# Altium PCB motordriver-v5.1_willem.PcbDoc (part 5 of 6) (continued)
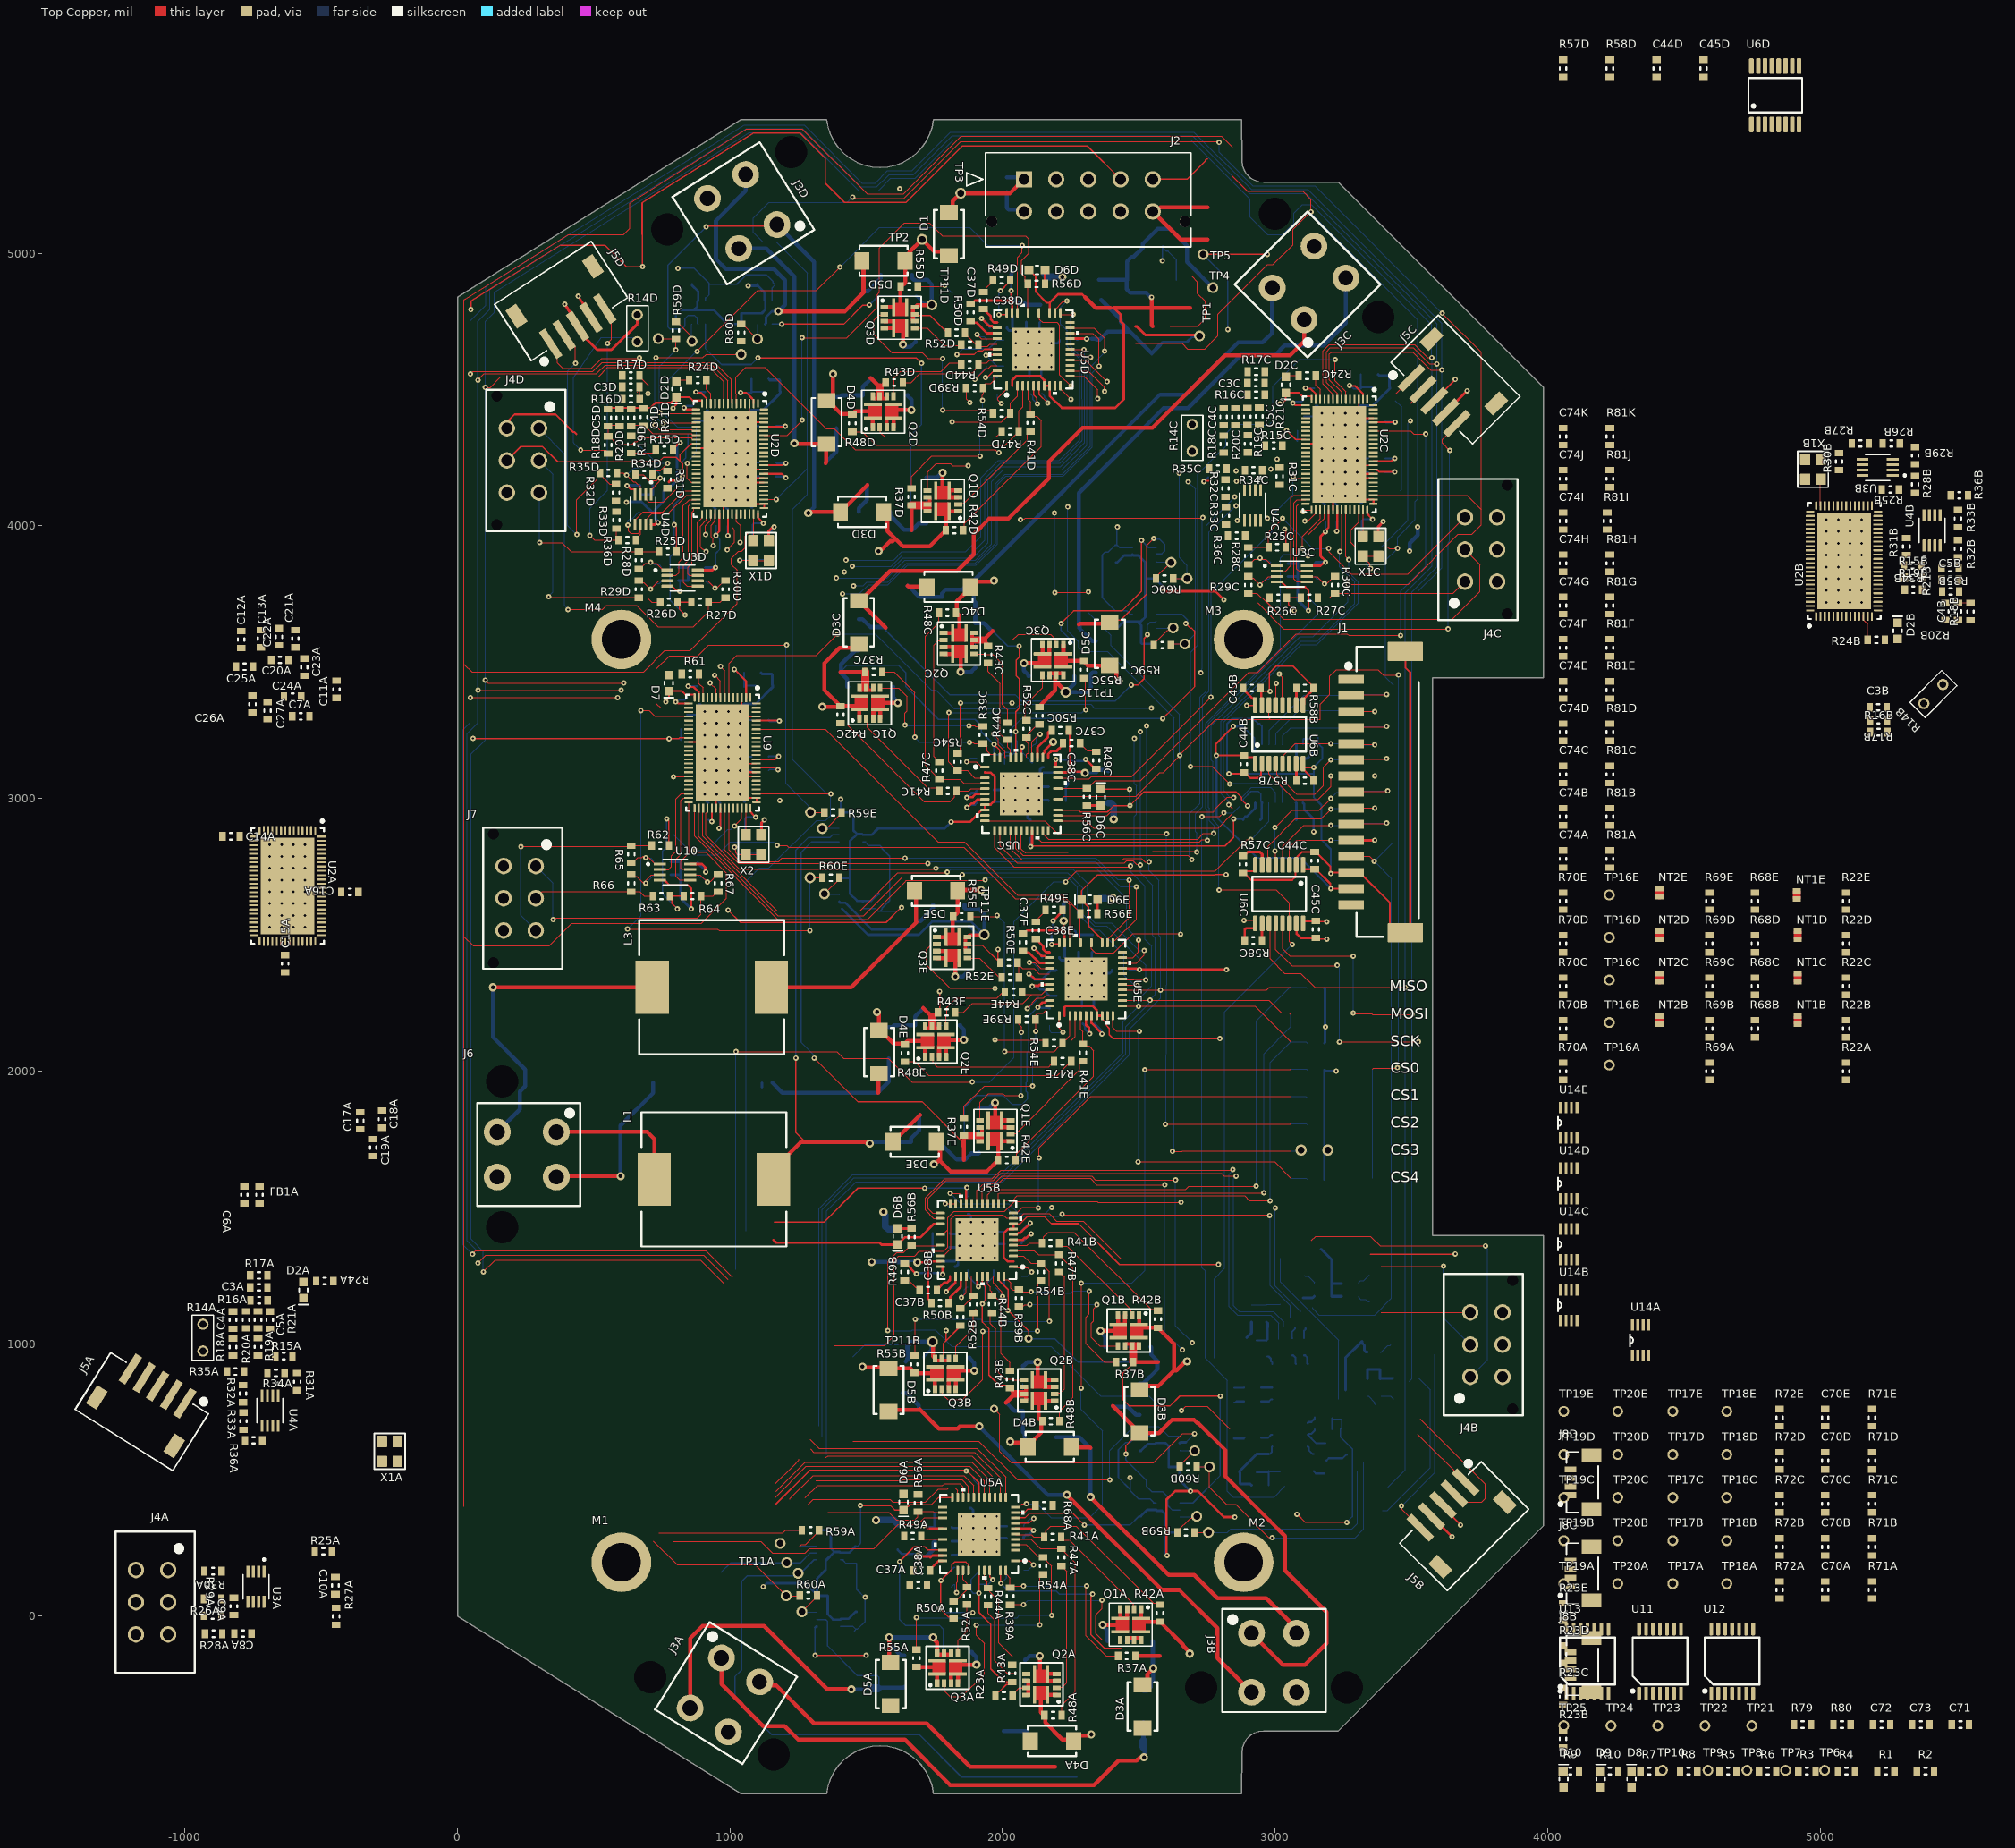
[diagram p0: Top Copper view]
## Nets (pads, with @x,y where several pads share a name; then routed paths per layer and width w, separated by ;. In a path a pad name is that pad's centre, name@x,y a point inside that pad or via, vN(x,y) a via of type N, cw(c..) or ccw(c..) an arc to the next point about the centre after c; other vN are vias at no path point) (continued)
  Bottom Copper w3.5: C33A.1@2082.99,-265.24 R45A.2@2082.99,-225.87
SNUB2B: C33B.1 R45B.2 | length 39.4
  Bottom Copper w3.5: C33B.1@2075.11,813.5 R45B.2@2075.11,852.87
SNUB2C: C33C.1 R45C.2 | length 39.4
  Bottom Copper w3.5: R45C.2@1900.2,3543.7 C33C.1@1900.2,3583.07
SNUB2D: C33D.1 R45D.2 | length 39.4
  Bottom Copper w3.5: C33D.1@1547.44,4478.94 R45D.2@1586.81,4478.94
SNUB2E: C33E.1 R45E.2 | length 39.4
  Bottom Copper w3.5: C33E.1@1739.76,2167.91 R45E.2@1779.13,2167.91
SNUB3A: C38A.1 R51A.2
SNUB3B: C38B.1 R51B.2 | length 118.5
  Top Copper w9: C38B.1@1758.77,1195.78 1758.77,1199.72 1766.09,1207.03 1769.46,1207.03 1785.57,1223.14 1796.51,1223.14 1807.34,1233.98 1807.34,1245.79 1807.77,1246.22
  Bottom Copper w3.5: 1774.52,947.75 R51B.2@1813.89,947.75
SNUB3C: C38C.1 R51C.2 | length 127.3
  Top Copper w9: 2167.54,3150.36 2167.97,3150.78 2167.97,3162.59 2178.8,3173.43 2197.83,3173.43 2221.37,3196.97 C38C.1@2221.37,3200.91 ; C38C.1@2216.54,3196.85 C38C.1@2216.54,3200.79
  Bottom Copper w3.5: R51C.2@2161.42,3448.82 2200.79,3448.82
SNUB3D: C38D.1 R51D.2 | length 118.5
  Top Copper w9: C38D.1@1929.72,4795.28 1933.66,4795.28 1940.97,4787.96 1940.97,4784.59 1957.09,4768.48 1957.09,4757.54 1967.93,4746.71 1979.74,4746.71 1980.16,4746.28
  Bottom Copper w3.5: R51D.2@1681.69,4740.16 1681.69,4779.53
SNUB3E: C38E.1 R51E.2 | length 118.5
  Top Copper w9: C38E.1@2122.05,2484.25 2125.98,2484.25 2133.29,2476.94 2133.29,2473.57 2149.41,2457.46 2149.41,2446.52 2160.25,2435.68 2172.06,2435.68 2172.48,2435.26
  Bottom Copper w3.5: R51E.2@1874.01,2429.13 1874.02,2468.5
SPEA: R70A.1 U5A.22
SPEB: R70B.1 U5B.22
SPEC: R70C.1 U5C.22
SPED: R70D.1 U5D.22
SPEE: R70E.1 U5E.22
STATUSA: R24A.2 U2A.12
STATUSB: R24B.2 U2B.12 | length 93.2
  Top Copper w3.5: U2B.12@5158.91,3668.29 5158.91,3655.14 5174.73,3639.31 R24B.2@5174.73,3581.63
STATUSC: R24C.2 U2C.12 | length 93.3
  Top Copper w3.5: R24C.2@3149.61,4551.18 3149.61,4516.22 3165.43,4500.39 U2C.12@3165.43,4464.53 U2C.12@3165.35,4464.61
STATUSD: R24D.2 U2D.12 | length 93.3
  Top Copper w3.5: R24D.2@913.39,4535.43 913.39,4500.47 929.21,4484.64 U2D.12@929.21,4448.78 U2D.12@929.13,4448.86
STATUSE: R61.2 U9.12 | length 93.3
  Top Copper w3.5: R61.2@885.83,3456.69 885.83,3421.73 901.65,3405.9 901.65,3370.04 U9.12@901.57,3370.12
U: L1.2 NT1E.2
U_FBKA: C31A.2 R22A.2 R37A.1 U5A.36 | length 845.8
  Top Copper w5: U5A.36@1993.23,178.72 1993.4,178.55 v1@1993.4,120.6 ; v1(2330.63,80.51) 2330.63,76.86 2324,70.23 2324,-68.16 2373.63,-117.79 2433.79,-117.79
  Top Copper w15: R37A.1@2483.18,-142.8 R37A.1@2487.12,-146.74 2577.67,-146.74
  Bottom Copper w5: C31A.2@2014.65,168.19 2014.65,140.65 v1(1994,120) 2022.03,91.97 2197.3,91.97 2208.76,80.51 v1(2330.63,80.51)
U_FBKB: C31B.2 R22B.2 R37B.1 U5B.36 | length 2334.7
  Top Copper w5: U5B.36@1984.86,1234.48 U5B.36@1984.86,1246.22 ; U5B.36@1984.93,1246.22 1987.66,1243.48 1987.66,1230.34 2020.53,1197.48 v1(2020.53,1121.59) 2095.59,1046.53 v4(2095.59,1018.09) ; R37B.1@2479.25,928.06 2440.94,889.76 2440.94,795.28 2464.57,771.65 2615.33,771.65 2650.77,807.09 v1(2799.21,807.09)
  Top Copper w9: R37B.1@2479.25,928.06 R37B.1@2479.25,932
  Top Copper w15: R37B.1@2479.25,932 2569.8,932
  Top Copper w29: R37B.1@2479.25,932 2479.25,991.06 R37B.1@2479.25,932
  Bottom Copper w5: C31B.2@2006.81,1246.96 2006.81,1211.74 2020.53,1198.02 v1(2020.53,1121.59) ; v4(2095.59,1018.09) 2191.39,1018.09 2277.48,932 2569.8,932 ; 2650.12,415.04 2698.14,415.04 2799.21,516.11 v1(2799.21,807.09)
  Bottom Copper w15: 2502.87,853.26 2516.06,853.26 2567.88,905.09 2567.88,930.09 2569.8,932 2569.8,934.71 2545.43,959.08 2545.43,986.37 2544.68,987.12 2542.24,987.12
U_FBKC: C31C.2 R22C.2 R37C.1 U5C.36 | length 2520.3
  Top Copper w5: v1(1968.34,3198.47) 1968.34,3198.26 1989.96,3176.65 1989.96,3162.59 U5C.36@1990.45,3162.1 ; v1(2587.77,3293.06) 2625.3,3330.58 2705.62,3410.9 2705.62,3613.28 2694.64,3624.26 2690.22,3624.26 v1(2672.74,3641.73) ; U5C.36@1990.45,3162.1 1990.45,3150.29 U5C.36@1990.45,3162.1
  Top Copper w15: 1405.51,3464.57 R37C.1@1496.06,3464.57
  Top Copper w29: 1496.06,3405.51 R37C.1@1496.06,3464.57 1496.06,3405.51
  Bottom Copper w5: 1405.51,3464.57 1407.43,3466.48 1430,3489.06 1617.26,3489.06 1644.64,3461.69 1644.64,3410.25 1764.87,3290.02 1899.22,3290.02 1922.35,3266.88 1922.35,3244.01 1925.28,3241.08 1925.73,3241.08 v1(1968.34,3198.47) ; C31C.2@1968.36,3153.25 C31C.2@1968.36,3153.4 ; v1(1968.34,3198.47) C31C.2@1968.36,3153.4 ; 2563.5,3674.88 2659.36,3674.88 2678.94,3655.3 2678.94,3647 2673.67,3641.73 v1(2672.74,3641.73) ; v1@2586.84,3293.99 2070.63,3293.99 2029.92,3253.28 2029.92,3214.42 2031.62,3212.72 2031.62,3173.85 2026.94,3169.17 2008.07,3169.17 1999.76,3160.86 1975.82,3160.86 C31C.2@1968.36,3153.4
  Bottom Copper w9: v1@2586.84,3293.99 v1(2587.77,3293.06)
  Bottom Copper w15: 1405.51,3464.57 1405.51,3461.86 1429.88,3437.49 1429.88,3410.2 1430.63,3409.45 1433.07,3409.45 ; 1407.43,3466.48 1407.43,3491.48 1459.25,3543.31 1472.44,3543.31
U_FBKD: C31D.2 R22D.2 R37D.1 U5D.36 | length 2792.4
  Top Copper w5: v1(1102.36,4616.14) 1683.07,4616.14 v1(1702.76,4596.46) ; v1@1938.79,4546.01 1945.21,4546.01 1961.55,4562.35 1967.93,4568.7 1979.74,4568.7 U5D.36@1980.23,4569.19
  Top Copper w9: v1(1937.12,4544.34) v1@1938.79,4546.01
  Top Copper w15: 1665.95,3984.25 R37D.1@1665.95,4074.8
  Top Copper w29: R37D.1@1665.95,4074.8 1725,4074.8 R37D.1@1665.95,4074.8
  Signal Layer 1 w5: 1665.95,3984.25 1731.03,4049.34 1731.03,4451.51 1826.31,4546.78 1860.75,4546.78 1873.95,4559.98 1920.75,4559.98 v1@1936.39,4544.34
  Signal Layer 1 w15: v1@1936.39,4544.34 v1(1937.12,4544.34)
  Bottom Copper w5: 909.45,4740.16 909.45,4651.58 968.95,4592.07 1078.29,4592.07 v1(1102.36,4616.14) ; 1663.39,3986.81 1663.39,4332.85 1702.76,4372.22 v1(1702.76,4596.46) ; v1@1938.58,4545.79 C31D.2@1979.45,4545.79
  Bottom Copper w9: 1663.39,3986.81 1664.03,3986.17 1665.95,3984.25 ; v1(1937.12,4544.34) v1@1938.58,4545.79 ; C31D.2@1979.45,4545.79 C31D.2@1980.91,4547.24
  Bottom Copper w15: 1587.2,4051.18 1587.2,4037.99 1639.03,3986.17 1664.03,3986.17 ; 1665.95,3984.25 1668.65,3984.25 1693.02,4008.62 1720.32,4008.62 1721.06,4009.37 1721.06,4011.81
U_FBKE: C31E.2 R22E.2 R37E.1 U5E.36 | length 2999.6
  Top Copper w5: v1(1309.05,2047.24) 1468.79,1887.51 1705.01,1887.51 1850.39,1742.13
  Top Copper w9: 1850.39,1742.13 1850.39,1725 1858.27,1717.13 1858.27,1673.23 ; v1(2129.08,2233.72) 2146.69,2251.33 2153.9,2251.33 2160.25,2257.67 2172.06,2257.67 U5E.36@2172.55,2258.17
  Top Copper w15: 1858.27,1673.23 1858.27,1717.13 R37E.1@1858.27,1763.78
  Top Copper w29: R37E.1@1858.27,1763.78 1917.32,1763.78 R37E.1@1858.27,1763.78
  Bottom Copper w5: v1(1309.05,2047.24) 1309.05,2057.09 1260.3,2105.84 1260.3,2801.3 1299.86,2840.86 1401.06,2840.86 ; 1858.27,1673.23 1859.6,1674.57 1859.6,1675.14 1859.6,1865.71 1904.67,1910.78 2001.95,1910.78 2036.02,1876.7 2070.64,1876.7 2092,1898.06 2092,1919.87 2087.12,1924.75 2087.12,1958.16 2089.75,1960.79 2089.75,2067.02 2095.76,2073.03 2095.76,2200.4 v1(2129.08,2233.72)
  Bottom Copper w9: v1(2129.08,2233.72) 2130.95,2231.85 2170.67,2231.85 C31E.2@2172.54,2229.97
  Bottom Copper w15: 1779.53,1726.97 1811.48,1695.02 1831.35,1675.14 ; 1913.39,1700.79 1913.39,1698.35 1912.64,1697.6 1885.35,1697.6 1860.97,1673.23 ; 1831.35,1675.14 1855.36,1675.14 ; 1831.35,1675.14 1855.36,1675.14 ; 1855.36,1675.14 ccw(c1865.01,1686.63) 1858.27,1673.23 ; 1855.36,1675.14 ccw(c1865.01,1686.63) 1858.26,1673.23 ; 1858.27,1673.23 1860.97,1673.23 ; 1858.26,1673.23 1860.97,1673.23
U_SENSEA_N: NT1A.1 R40A.1 TP11A.1 U7A.5 | length 444.9
  Bottom Copper w5: 968.5,161.42 1002.49,195.4 1258.4,195.4 1294.8,231.81 1317.59,231.81 U7A.5@1318.38,232.6
  Bottom Copper w15: NT1A.1@2517,-454 R40A.1@2517,-388.48
U_SENSEA_P: C28A.2 D3A.2 Q1A.8 R22A.1 R40A.2 TP12A.1 U7A.4 | length 2404.9
  Top Copper w15: D3A.2@2514,-252.67 2531.8,-234.87 2531.8,-213.2 v4(2553,-192)
  Bottom Copper w5: U7A.4@1318.38,207.01 1308.54,207.01 1249.17,147.64 1062.99,147.64 1043.31,127.95 1043.31,-196.85 1017.51,-222.64 1017.51,-299.01 1152.6,-434.1 1693.94,-434.1 1850.39,-590.55 2273.62,-590.55
  Bottom Copper w15: R40A.2@2517,-273.52 2530.19,-273.52 2543.36,-260.35 2543.36,-247.16 2553,-237.52 v4(2553,-192) 2551.56,-190.56 2551.56,-93.06 C28A.2@2550.11,-91.62
U_SENSEB_N: NT1B.1 R40B.1 TP11B.1 U7B.5
U_SENSEB_P: C28B.2 D3B.2 Q1B.8 R22B.1 R40B.2 TP12B.1 U7B.4 | length 111.8
  Bottom Copper w15: 2404.44,770.59 2407.31,767.72 2460.27,767.72 2489.68,738.3 R40B.2@2502.87,738.3
U_SENSEC_N: NT1C.1 R40C.1 TP11C.1 U7C.5
U_SENSEC_P: C28C.2 D3C.2 Q1C.8 R22C.1 R40C.2 TP12C.1 U7C.4
U_SENSED_N: NT1D.1 R40D.1 TP11D.1 U7D.5
U_SENSED_P: C28D.2 D3D.2 Q1D.8 R22D.1 R40D.2 TP12D.1 U7D.4 | length 111.8
  Bottom Copper w15: R40D.2@1472.24,4051.18 1472.24,4064.37 1501.66,4093.78 1501.66,4146.74 1504.53,4149.61
U_SENSEE_N: NT1E.1 R40E.1 TP11E.1 U7E.5
U_SENSEE_P: C28E.2 D3E.2 Q1E.8 R22E.1 R40E.2 TP12E.1 U7E.4 | length 142.6
  Top Copper w15: D3E.2@1597.83,1740.16 1597.83,1744.88 1612.89,1759.94 1618.21,1759.94 1696.85,1838.58
UA: J3A.1 NT1A.2 | length 1877.9
  Top Copper w15: J3A.1@968.5,-153.54 968.5,-250 1122.05,-403.54 1200.79,-403.54 1250.41,-453.17 1641.17,-453.17 1808.08,-620.08 2335.92,-620.08 2426,-530 2492,-530 2504,-518 v4(2519,-518)
  Bottom Copper w15: v4(2519,-518) 2521.87,-515.13 v4@2521.87,-505.13 ; NT1A.2@2521.87,-484 v4@2521.87,-505.13 ; v4@2522,-505 v4@2521.87,-505.13
UB: J3B.1 NT1B.2
UC: J3C.1 NT1C.2
UD: J3D.1 NT1D.2
UHA: U2A.39 U5A.14 | length 920.7
  Top Copper w3.5: 1168.32,457.01 1276.31,565 1887,565 1953.44,498.56 U5A.14@1953.44,435.19
UHB: U2B.39 U5B.14 | length 1912.2
  Top Copper w3.5: 1925.88,1513.93 1925.88,1567.98 1934.15,1576.26 1974.26,1576.26 2004.18,1606.18 2321.92,1606.18 2345.87,1582.23 v1(2595.83,1582.23)
  Signal Layer 1 w3.5: v1(2660.24,976.39) 2854.29,976.39 2858.57,972.11 3048.65,972.11 3090.97,1014.44 3170.86,1014.44
  Bottom Copper w3.5: v1(2595.83,1582.23) 2595.83,1040.8 v1(2660.24,976.39)
UHC: U2C.39 U5C.14 | length 2443
  Top Copper w3.5: 2049.43,2882.64 2049.43,2816.57 2075,2791 2681.06,2791 2695,2777.06 v1(2695,2775) ; v1(3103,4053) 3107.38,4053 3112.77,4058.39 U2C.39@3133.94,4058.39
  Signal Layer 1 w3.5: v1(2852,4106) 2949.19,4106 2953.19,4110 3046,4110 v1(3103,4053)
  Bottom Copper w3.5: v1(2695,2775) 2695,2778.34 2686,2787.34 2686,2943 2725.22,2982.22 2725.22,3372.22 2747,3394 2747,4001 v1(2852,4106)
UHD: U2D.39 U5D.14 | length 2377.5
  Top Copper w3.5: v1(883.42,3883.15) 881.75,3884.82 881.75,3898.24 880,3899.99 880,4012.41 897.72,4030.12 U2D.39@897.72,4042.64 ; 2247.87,4628.17 2295.45,4628.17 2304.62,4619 v1(2323,4619)
  Signal Layer 1 w3.5: v1(883.42,3883.15) 883.42,3868.77 943.59,3808.6 v1(1390.55,3808.6)
  Bottom Copper w3.5: v1(1390.55,3808.6) 1576.6,3808.6 1642,3874 1901,3874 1960,3933 1960,4163 2002,4205 2218,4205 2309,4296 2309,4605 v1(2323,4619)
UHE: U5E.14 U9.39 | length 2235.1
  Top Copper w3.5: U9.39@870.16,2963.9 870.16,2861.31 1174.47,2557 1506,2557 1640.92,2691.92 1640.92,2693.03 1647.4,2699.52 v1@1937.52,2699.52 ; 2440.2,2317.15 2441.27,2316.08 2492.92,2316.08 v1(2494,2315)
  Bottom Copper w3.5: v1(1937,2701) 1939.16,2701 1948.75,2710.59 2238.87,2710.59 2275,2674.47 2275,2578 2335.94,2517.06 2354.94,2517.06 2446,2426 2446,2352 2479.9,2318.1 2490.9,2318.1 v1(2494,2315)
ULA: U2A.40 U5A.15 | length 897.6
  Top Copper w3.5: 1165.71,434.96 1279.75,549 1880,549 1933.75,495.25 U5A.15@1933.75,435.19
ULB: U2B.40 U5B.15 | length 1923.3
  Top Copper w3.5: 1906.19,1513.93 1906.19,1562.19 1931,1587 1970,1587 1997.57,1614.57 2326.85,1614.57 2341.42,1600 v1(2635,1600)
  Signal Layer 1 w3.5: v1(2696.46,1003.39) 2843.02,1003.39 2857.76,988.65 3044.03,988.65 3083.91,1028.53 3136.89,1028.53 3160.52,1052.16
  Bottom Copper w3.5: v1(2635,1600) 2635,1064.85 v1(2696.46,1003.39)
ULC: U2C.40 U5C.15 | length 2409.5
  Top Copper w3.5: 2069.12,2882.64 2069.12,2814.88 2081.46,2802.54 2082.48,2801.52 2083.94,2801.52 2706.71,2807.51 2708.16,2807.51 2709.18,2806.51 v1(2712.76,2802.99) ; v1(3109.11,4017.24) 3110.19,4018.32 3122.16,4018.32 3149.68,4045.85 U2C.40@3149.68,4059.02
  Signal Layer 1 w3.5: v1(2857.15,4073.28) 2857.15,4074.9 2868.25,4086 3045,4086 3075.51,4055.49 3075.51,4050.85 v1(3109.11,4017.24)
  Bottom Copper w3.5: v1(2712.76,2802.99) 2712.76,2872.85 2708.05,2877.57 2708.05,2943.05 2735.02,2970.02 2735.02,3371.02 2758.16,3394.16 2758.16,3977.16 2854.28,4073.28 v1(2857.15,4073.28)
ULD: U2D.40 U5D.15 | length 2303.4
  Top Copper w3.5: v1(911.74,3905.48) 909.81,3905.48 900.11,3915.18 897.61,3915.18 891,3921.79 891,3999 913.46,4021.46 U2D.40@913.46,4043.27 ; 2247.87,4647.86 2248.3,4647.43 2298.57,4647.43 v1(2299,4647)
  Signal Layer 1 w3.5: v1(911.74,3905.48) 912.01,3905.21 924.79,3905.21 999,3831 v1(1420,3831)
  Bottom Copper w3.5: v1(1420,3831) 1584,3831 1635,3882 1891.28,3882 1947.47,3938.19 1947.47,4168.19 1996.81,4217.53 2212.81,4217.53 2301.08,4305.8 2301.08,4644.92 v1(2299,4647)
ULE: U5E.15 U9.40 | length 2267.4
  Top Copper w3.5: U9.40@885.91,2964.53 885.91,2860.09 1176,2570 1491,2570 1634,2713 1841.86,2713 1848.86,2720 v1(1852,2720) ; 2440.2,2336.84 2441.61,2335.42 2524.58,2335.42 v1(2526,2334)
  Bottom Copper w3.5: v1(1852,2720) 1855.14,2720 1862.14,2727 2239,2727 2295,2671 2295,2574 2337,2532 2381,2532 2526,2387 v1(2526,2334)
V: L2.2 R46E.1 TP13E.1
V_FBKA: C32A.2 R23A.2 R43A.1 U5A.33 | length 694.1
  Top Copper w5: v1(1914,84) 1914,13 1957,-30 1957,-194 2004.62,-241.62 R43A.1@2035.74,-241.62 2026.43,-250.93 2014.08,-250.93 1987.26,-277.75 1983.32,-277.75 1974.01,-287.06 R23A.2@1974.01,-291 ; v1(1914,84) U5A.33@1914.03,167.44
  Bottom Copper w5: v1(1914,84) 1893,84 1885,92 1885,135 1915,165 1915.07,165 1915.07,178.92 C32A.2@1915,178.99
V_FBKB: C32B.2 R23B.2 R43B.1 U5B.33
V_FBKC: C32C.2 R23C.2 R43C.1 U5C.33
V_FBKD: C32D.2 R23D.2 R43D.1 U5D.33
V_FBKE: C32E.2 R23E.2 R43E.1 U5E.33
V_SENSEA: C33A.2 D4A.2 Q2A.8 R23A.1 R46A.2 TP14A.1 | length 148.5
  Top Copper w5: R23A.1@2037,-291 2037,-287.06 2060.59,-263.47 Q2A.8@2086.73,-263.47
  Bottom Copper w15: 2004.46,-422.33 R46A.2@2089.48,-422.33
V_SENSEB: C33B.2 D4B.2 Q2B.8 R23B.1 R46B.2 TP14B.1 | length 996.6
  Top Copper w5: 1925.88,1246.22 1925.88,1220.08 1937.04,1208.92 1937.04,1159.06 1926.24,1148.26 v1(1926.24,1145.9) 1926.24,1078.51 1950.22,1054.53 1950.22,884.21 1988,846.43 2016.12,846.43 ; 2016.12,846.43 2027.87,834.68 2016.12,846.43
  Top Copper w15: 2012.12,782 2012.12,782.59 2044.8,815.27 2039.29,820.78 2039.29,823.26 2027.87,834.68 2027.87,837.12 ; D4B.2@2252.87,620.58 2254.84,618.62 2321.18,618.62 2323.15,616.65
  Top Copper w27.56: 2044.8,815.27 Q2B.8@2078.85,815.27
  Bottom Copper w5: v1(1926.24,1145.9) 1926.24,1146.93 1934.84,1155.53 1934.84,1213.87 1950.11,1229.15 1951.31,1229.15 1967.44,1245.27 1967.44,1270.59
  Bottom Copper w15: 2012.12,782 2014.83,782 2043.14,753.7 2074.37,753.7 C33B.2@2075.11,752.95 ; C33B.2@2075.11,750.51 C33B.2@2075.11,752.95 ; 2081.61,656.41 2081.61,669.6 2075.11,676.1 C33B.2@2075.11,752.95
V_SENSEC: C33C.2 D4C.2 Q2C.8 R23C.1 R46C.2 TP14C.1 | length 1053.8
  Top Copper w5: 2049.43,3150.35 2049.01,3150.78 2049.01,3244.95 v1(2048.28,3245.68) 2048.28,3318.05 2061.92,3331.69 2061.92,3397.85 2061.58,3398.19 2061.58,3438.36 2050,3449.94 2050,3507.13 2061.58,3518.71 v1(2061.58,3558.88)
  Top Copper w15: 1652.16,3779.92 1654.13,3777.95 1720.47,3777.95 D4C.2@1722.44,3775.99 ; 1947.44,3559.45 1947.44,3561.89 1936.02,3573.31 1936.02,3575.79 1930.51,3581.3 1963.19,3613.98 1963.19,3614.57
  Top Copper w27.56: Q2C.8@1896.46,3581.3 1930.51,3581.3
  Bottom Copper w5: 1963.19,3614.57 2018.88,3558.88 v1(2061.58,3558.88) ; 2007.87,3125.99 2007.87,3151.3 2013.24,3156.67 2032.11,3156.67 2053.83,3178.38 2053.83,3209.86 2048.28,3215.4 v1(2048.28,3245.68)
  Bottom Copper w15: 1893.7,3740.16 1893.7,3726.97 1900.2,3720.47 1900.2,3643.63 1900.94,3642.88 1932.17,3642.88 1960.48,3614.57 1963.19,3614.57
V_SENSED: C33D.2 D4D.2 Q2D.8 R23D.1 R46D.2 TP14D.1 | length 1009.1
  Top Copper w5: v1(1938.74,4626.22) 1940.41,4627.88 1948.07,4627.88 1948.36,4628.17 1980.16,4628.17
  Top Copper w15: 1515.94,4541.93 1516.54,4541.93 1549.21,4509.25 1554.72,4514.76 1557.2,4514.76 1568.62,4526.18 1571.06,4526.18
  Top Copper w27.56: Q2D.8@1549.21,4475.19 1549.21,4509.25
  Signal Layer 1 w5: 1515.94,4541.93 1548.13,4574.11 1853.64,4574.11 1905.74,4626.22 v1(1938.74,4626.22)
  Bottom Copper w5: v1(1938.74,4626.22) 1939.61,4626.22 1979.22,4586.61 2004.53,4586.61
  Bottom Copper w15: 1350.59,4230.9 1350.59,4232.69 1390.35,4272.46 R46D.2@1390.35,4357.48 ; 1390.35,4472.44 1403.54,4472.44 1410.04,4478.94 C33D.2@1484.45,4478.94 1486.89,4478.94 1487.64,4479.68 1487.64,4510.91 1515.94,4539.22 1515.94,4541.93
V_SENSEE: C33E.2 D4E.2 Q2E.8 R23E.1 R46E.2 TP14E.1 | length 1008.5
  Top Copper w5: v1(1769.5,2291.85) 1769.5,2223.71 ; 1769.5,2223.71 1760.94,2215.16 1769.5,2223.71
  Top Copper w9: v1(2108.93,2310.52) 2110.98,2312.56 2132.19,2312.56 2136.78,2317.15 2172.48,2317.15
  Top Copper w15: 1542.91,1919.88 1544.88,1921.85 1544.88,1988.19 D4E.2@1546.85,1990.16 ; 1708.27,2230.91 1708.86,2230.91 1741.53,2198.23 1747.05,2203.74 1749.53,2203.74 1760.94,2215.16 1763.38,2215.16
  Top Copper w27.56: Q2E.8@1741.53,2164.17 1741.53,2198.23
  Signal Layer 1 w5: v1(1769.5,2291.85) 1791.76,2269.59 2005.3,2269.59 2046.23,2310.52 v1(2108.93,2310.52)
  Bottom Copper w9: v1(2108.93,2310.52) 2110.98,2308.47 2127.64,2308.47 2136.78,2299.34 2148.98,2299.34 2171.54,2276.78 2171.54,2275.59 ; 2171.54,2275.59 2196.85,2275.59 2171.54,2275.59
  Bottom Copper w15: 1582.68,2161.42 1595.87,2161.42 1602.36,2167.91 1679.21,2167.91 1679.96,2168.66 1679.96,2199.89 1708.27,2228.2 1708.27,2230.91
VA: J3A.2 R46A.1 TP13A.1 | length 1213.6
  Top Copper w15: J3A.2@1108.66,-241.29 1120.98,-253.61 1168.97,-253.61 1309.06,-393.7 1722.44,-393.7 1881.74,-553 2193.18,-553
VB: J3B.2 R46B.1 TP13B.1
VC: J3C.2 R46C.1 TP13C.1
VCC: C29A.1 C29B.1 C29C.1 C29D.1 C29E.1 C30A.1 C30B.1 C30C.1 C30D.1 C30E.1 C34A.2 C34B.2 C34C.2 C34D.2 C34E.2 C37A.2 C37B.2 C37C.2 C37D.2 C37E.2 C41A.1 C41B.1 C41C.1 C41D.1 C41E.1 C42A.1 C42B.1 C42C.1 C42D.1 C42E.1 D1.2 J2.1 J2.2 J2.3 Q1A.3 Q1A.4 Q1A.5 Q1B.3 Q1B.4 Q1B.5 Q1C.3 Q1C.4 Q1C.5 Q1D.3 Q1D.4 Q1D.5 Q1E.3 Q1E.4 Q1E.5 Q2A.3 Q2A.4 Q2A.5 Q2B.3 Q2B.4 Q2B.5 Q2C.3 Q2C.4 Q2C.5 Q2D.3 Q2D.4 Q2D.5 Q2E.3 Q2E.4 Q2E.5 Q3A.3 Q3A.4 Q3A.5 Q3B.3 Q3B.4 Q3B.5 Q3C.3 Q3C.4 Q3C.5 Q3D.3 Q3D.4 Q3D.5 Q3E.3 Q3E.4 Q3E.5 R13.2 R16A.1 R16B.1 R16C.1 R16D.1 R38A.1 R38B.1 R38C.1 R38D.1 R38E.1 R45A.1 R45B.1 R45C.1 R45D.1 R45E.1 R51A.1 R51B.1 R51C.1 R51D.1 R51E.1 R75.1 TP8.1 U5A.25 U5A.28 U5B.25 U5B.28 U5C.25 U5C.28 U5D.25 U5D.28 U5E.25 U5E.28 | length 6784.3
  Top Copper w9: v4(1687.06,1298.01) 1687.19,1298.14 1731.22,1298.14 ; v4(1692.84,219.69) 1693.12,219.4 1735.15,219.4 1739.09,219.4 ; v1(1711,332) 1713.89,332 1724.87,321.02 U5A.25@1780.21,321.02 ; 1735.15,215.47 1739.09,219.4 ; C37B.2@1739.09,1148.54 1739.09,1152.48 1727.28,1164.29 1727.28,1294.21 1731.22,1298.14 ; U5B.28@1772.33,1301.33 1734.4,1301.33 1731.22,1298.14 ; U5A.28@1780.21,222.59 1742.28,222.59 1739.09,219.4 ; v1(1793.58,1190.23) 1827.45,1224.11 1827.45,1246.22 ; C37D.2@1882.48,4814.96 1886.42,4814.96 1898.23,4826.77 2028.15,4826.77 2032.09,4822.83 ; v1(1923.2,4761.04) 1950.87,4733.36 1961.58,4733.36 1968.35,4726.6 1980.16,4726.6 ; v1(2032.09,4862.2) 2032.09,4822.83 ; U5D.28@2035.28,4781.72 2035.28,4819.65 2032.09,4822.83 ; C37E.2@2074.8,2503.94 2078.74,2503.94 2090.55,2515.75 2220.47,2515.75 2224.41,2511.81 ; v1(2115.35,2450.28) 2143.29,2422.34 2153.9,2422.34 2160.67,2415.58 2172.48,2415.58 ; 2147.86,3162.17 2154.62,3168.93 2154.62,3176.02 v4(2185.93,3207.34) ; U5C.28@2202.98,3095.24 2240.91,3095.24 2244.09,3098.43 ; v4(2224.41,2551.18) 2224.41,2511.81 ; U5E.28@2227.6,2470.69 2227.6,2508.62 2224.41,2511.81 ; C37C.2@2236.22,3248.03 2236.22,3244.1 2248.03,3232.28 2248.03,3102.36 2244.09,3098.43 ; v4@2298.2,3096.57 2296.35,3098.43 2244.09,3098.43
  Top Copper w10: Q3D.5@1604.98,4725.39 1606.89,4727.3 1606.89,4749.08 Q3D.5@1604.98,4750.98 ; Q3E.5@1797.31,2414.37 1799.21,2416.28 1799.21,2438.06 Q3E.5@1797.31,2439.96 ; Q3B.5@1803.07,871.04 1804.97,872.95 1826.75,872.95 Q3B.5@1828.66,871.04 ; Q3A.5@1810.94,-207.7 1812.85,-205.79 1834.62,-205.79 Q3A.5@1836.53,-207.7 ; Q3C.5@2146.65,3525.53 2148.56,3523.62 2170.34,3523.62 Q3C.5@2172.24,3525.53
  Top Copper w15: Q1C.3@1525.59,3292.91 1525.99,3293.32 1525.99,3324.98 1527.59,3326.58 Q1C.5@1550.98,3326.58 1551.18,3326.38 Q1C.4@1551.18,3292.91 ; 1551.18,3350.4 v4(1615.67,3350.4) ; Q3D.4@1566.34,4725.39 Q3D.5@1604.98,4725.39 ; Q3D.3@1566.34,4750.98 Q3D.5@1604.98,4750.98 ; Q2D.3@1574.8,4362.6 1574.8,4403.54 1575.39,4404.13 ; Q2D.4@1600.39,4362.6 1600.39,4412.83 1595.08,4418.15 1602.13,4425.2 v4(1665.95,4425.2) ; v4(1634.45,4665.64) 1634.45,4732.28 ; Q3E.4@1758.66,2414.37 Q3E.5@1797.31,2414.37 ; Q3E.3@1758.66,2439.96 Q3E.5@1797.31,2439.96 ; Q2E.3@1767.12,2051.57 1767.13,2092.52 1767.72,2093.11 ; 1780.12,4129.92 v4(1780.12,4194.41) ; Q2C.4@1783.86,3530.12 1834.09,3530.12 1839.41,3535.44 1846.46,3528.39 v4(1846.46,3464.57) ; Q2C.3@1783.86,3555.71 1824.8,3555.71 1825.39,3555.12 ; Q2E.4@1792.72,2051.57 1792.72,2101.81 1787.4,2107.13 1794.45,2114.18 v4(1858.27,2114.18) ; Q3B.3@1803.07,832.4 Q3B.5@1803.07,871.04 ; D1.2@1803.15,5150.2 1817.45,5164.5 1817.45,5191.47 1846.46,5220.47 2027.56,5220.47 J2.1@2078.74,5271.65 ; Q3A.3@1810.94,-246.34 Q3A.5@1810.94,-207.7 ; 1821.77,900.51 v4(1896.57,900.51) ; v4(1826.77,2346.46) 1826.77,2421.26 ; Q3B.4@1828.66,832.4 Q3B.5@1828.66,871.04 ; 1829.64,-178.23 v4(1904.44,-178.23) ; Q3A.4@1836.53,-246.34 Q3A.5@1836.53,-207.7 ; Q1D.3@1837.6,4104.33 1837.2,4104.73 1805.53,4104.73 1803.94,4106.33 Q1D.5@1803.94,4129.72 1804.14,4129.92 Q1D.4@1837.6,4129.92 ; 1972.44,1818.9 v4(1972.44,1883.39) ; Q1E.3@2029.92,1793.31 2029.52,1793.71 1997.85,1793.71 1996.26,1795.31 Q1E.5@1996.26,1818.7 1996.46,1818.9 Q1E.4@2029.92,1818.9 ; v4(2078.92,3496.06) 2153.54,3496.06 ; v4(2128.85,932) 2128.85,868.18 2135.9,861.14 2141.22,866.45 Q2B.4@2191.45,866.45 ; v4(2136.73,-146.74) 2136.73,-210.56 2143.77,-217.6 2149.09,-212.29 Q2A.4@2199.33,-212.29 ; Q3C.5@2146.65,3525.53 Q3C.4@2146.65,3564.17 ; 2149.92,841.45 2150.51,840.86 Q2B.3@2191.45,840.86 ; 2157.79,-237.29 2158.38,-237.88 Q2A.3@2199.33,-237.88 ; Q3C.5@2172.24,3525.53 Q3C.3@2172.24,3564.17 ; v4(2359.64,1046.18) 2424.13,1046.18 ; v4(2367.51,-32.56) 2432,-32.56 ; Q1B.4@2424.13,1103.66 2424.13,1070.19 Q1B.5@2424.33,1069.99 2447.72,1070 2449.32,1071.59 2449.32,1103.25 Q1B.3@2449.72,1103.66 ; Q1A.4@2432,24.92 2432,-8.55 Q1A.5@2432.2,-8.75 2455.59,-8.74 2457.19,-7.15 2457.19,24.51 Q1A.3@2457.59,24.92
  Bottom Copper w9: 1611.05,1302.89 1679.29,1302.89 1684.17,1298.01 v4(1687.06,1298.01) 1717.15,1298.01 C42B.1@1721.21,1302.08 1721.21,1306.02 1728.53,1313.33 1732.34,1313.33 1743.03,1324.01 C29B.1@1743.03,1404.44 ; 1614.94,1299 1615.97,1297.97 ; C34A.2@1615.11,243.31 1630.61,227.81 1679.03,227.81 1687.15,219.69 v4(1692.84,219.69) 1721.5,219.69 ; v1(1711,332) 1713.89,332 1720.19,325.7 C29A.1@1750.9,325.7 1750.7,325.9 1750.7,376.8 C42A.1@1750.5,377 ; v1(1793.58,1190.23) 1793.58,1191.21 1821.77,1219.4 C41B.1@1825.7,1219.4 ; v1(1923.2,4761.04) 1924.59,4761.04 1953.35,4732.28 C41D.1@1953.35,4728.35 ; 2032.09,4893.7 v1(2032.09,4862.2) 2032.09,4836.77 C42D.1@2036.02,4832.83 ; v1(2115.35,2450.28) 2116.65,2450.28 2145.67,2421.26 C41E.1@2145.67,2417.32 ; C41C.1@2156.22,3177.17 2185.93,3206.88 v4(2185.93,3207.34) ; 2224.41,2582.68 v4(2224.41,2551.18) 2224.41,2525.75 C42E.1@2228.35,2521.81 2257.59,2521.81 2268.28,2511.13 2268.28,2507.31 2275.59,2500 C29E.1@2330.71,2500 ; C29C.1@2232.28,2992.13 C30C.1@2232.28,3043.31 2239.59,3050.62 2239.59,3067.43 2263.25,3091.08 C42C.1@2263.25,3095.02 ; C42C.1@2263.65,3097.51 2264.08,3097.08 2296.17,3097.08 2299.68,3093.56 2345.75,3093.56 2348.75,3096.57
  Bottom Copper w15: v4(1520,1299) 1614.94,1299 1611.05,1302.89 ; R38C.1@1598.43,3409.45 1598.43,3371.2 1615.67,3353.96 v4(1615.67,3350.4) ; 1615.97,1297.97 1650.42,1297.97 ; v4(1634.45,4665.64) 1634.45,4663.98 1640.95,4657.48 1662.01,4657.48 1678.51,4673.97 1680.95,4673.97 1681.69,4674.72 R51D.1@1681.69,4677.16 ; R45D.1@1649.8,4478.94 1652.24,4478.94 1652.99,4478.19 1652.99,4475.75 1665.95,4462.79 v4(1665.95,4425.2) ; R38D.1@1721.06,4177.16 1759.31,4177.17 1776.56,4194.41 v4(1780.12,4194.41) ; 1721.5,219.69 1746.59,244.78 1746.59,270.21 C30A.1@1750.9,274.52 ; v4(1826.77,2346.46) 1854.33,2346.46 1870.83,2362.95 1873.27,2362.95 1874.02,2363.7 R51E.1@1874.01,2366.14 ; R45E.1@1842.12,2167.91 1844.57,2167.91 1845.32,2167.17 1845.32,2164.72 1858.27,2151.77 v4(1858.27,2114.18) ; v4(1846.46,3464.57) 1884.05,3464.57 1897.01,3477.52 1899.45,3477.52 1900.2,3478.27 R45C.1@1900.2,3480.71 ; R51B.1@1876.88,947.75 1879.33,947.75 1880.08,947 1880.08,944.56 1896.57,928.07 v4(1896.57,900.51) ; R51A.1@1884.76,-130.99 1887.2,-130.99 1887.95,-131.74 1887.95,-134.18 1904.44,-150.67 v4(1904.44,-178.23) ; R38E.1@1913.38,1866.14 1951.63,1866.14 1968.88,1883.39 v4(1972.44,1883.39) ; 2015.75,5279.53 2070.87,5279.53 J2.1@2078.74,5271.65 ; 2032.09,4893.7 2032.09,4928.15 2037.01,4933.07 ; C42D.1@2036.02,4832.83 2039.96,4832.83 2057.46,4815.33 2082.89,4815.33 C30D.1@2087.2,4811.02 C29D.1@2138.39,4811.02 ; R45B.1@2075.11,915.86 2075.11,918.3 2075.86,919.05 2078.3,919.05 2091.26,932 v4(2128.85,932) ; v4(2078.92,3496.06) 2078.74,3495.88 2078.74,3468.5 2095.23,3452.01 2095.23,3449.57 2095.98,3448.82 R51C.1@2098.43,3448.82 ; R45A.1@2082.99,-162.88 2082.99,-160.44 2083.74,-159.69 2086.18,-159.69 2099.13,-146.74 v4(2136.73,-146.74) ; 2224.41,2582.68 2224.41,2617.13 2229.33,2622.05 ; 2348.75,3104.03 2383.2,3104.03 2388.13,3099.11 ; v4(2359.64,1046.18) 2359.64,1042.61 2376.88,1025.37 R38B.1@2376.88,987.12 ; v4(2367.51,-32.56) 2367.51,-36.13 2384.76,-53.37 R38A.1@2384.76,-91.62
  other v4: 2302.57,3093.56
VCCCORE1A: C14A.2 U2A.15
VCCCORE1B: C14B.2 U2B.15 | length 83.1
  Bottom Copper w7: 3188.98,570.87 3197.29,579.18 3247.67,579.18 3260.91,592.42 3263.19,592.42
VCCCORE1C: C14C.2 U2C.15 | length 95.8
  Top Copper w7: v1(3065.89,4450.72) 3073.73,4442.87 U2C.15@3112.28,4442.87
  Bottom Copper w7: v1(3065.89,4450.72) 3071.42,4456.26 3097.99,4456.26 C14C.2@3106.3,4464.57
VCCCORE1D: C14D.2 U2D.15 | length 93
  Top Copper w7: v1(831.08,4433.2) 834.51,4433.2 840.59,4427.13 U2D.15@876.06,4427.13
  Bottom Copper w7: v1(831.08,4433.2) 834.51,4433.2 841.82,4440.51 861.77,4440.51 C14D.2@870.08,4448.82
VCCCORE1E: C59.2 U9.15 | length 98.7
  Top Copper w7: v1(800.65,3354.53) 804.08,3354.53 810.22,3348.39 U9.15@848.5,3348.39
  Bottom Copper w7: v1(800.65,3354.53) 804.08,3354.53 811.31,3361.77 834.21,3361.77 C59.2@842.52,3370.08
VCCCORE2A: C15A.2 U2A.45
VCCCORE2B: C15B.2 U2B.45 | length 44.1
  Bottom Copper w7: 3062.99,1019.69 3061.64,1021.03 3061.64,1042.47 3073.93,1054.75 3073.93,1058.19
VCCCORE2C: C15C.2 U2C.45 | length 114.9
  Top Copper w7: v1(3226.51,3980.69) 3228.34,3982.52 3228.34,4058.93 U2C.45@3228.43,4059.02
  Bottom Copper w7: v1(3226.51,3980.69) 3226.51,4013.92 C15C.2@3228.35,4015.75
VCCCORE2D: C15D.2 U2D.45 | length 114.6
  Top Copper w7: v1(992.08,3964.34) v1(992.08,3964.34) U2D.45@992.14,4043.21
  Bottom Copper w7: v1(992.08,3964.34) C15D.2@992.13,4000 C15D.2@992.13,4000
VCCCORE2E: C60.2 U9.45 | length 107.6
  Top Copper w7: v1(960,2891) 960,2894.43 964.65,2899.08 U9.45@964.65,2964.53
  Bottom Copper w7: v1(960,2891) 960,2894.43 964.31,2898.74 964.31,2921.01 C60.2@964.57,2921.26
VCCCORE3A: C16A.2 U2A.63
VCCCORE3B: C16B.2 U2B.63 | length 36.9
  Bottom Copper w7: 2850.8,782.97 2854.23,782.97 2858.67,787.4 2885.83,787.4